# Allegro board 6089-119-RevB_08.brd (continued)
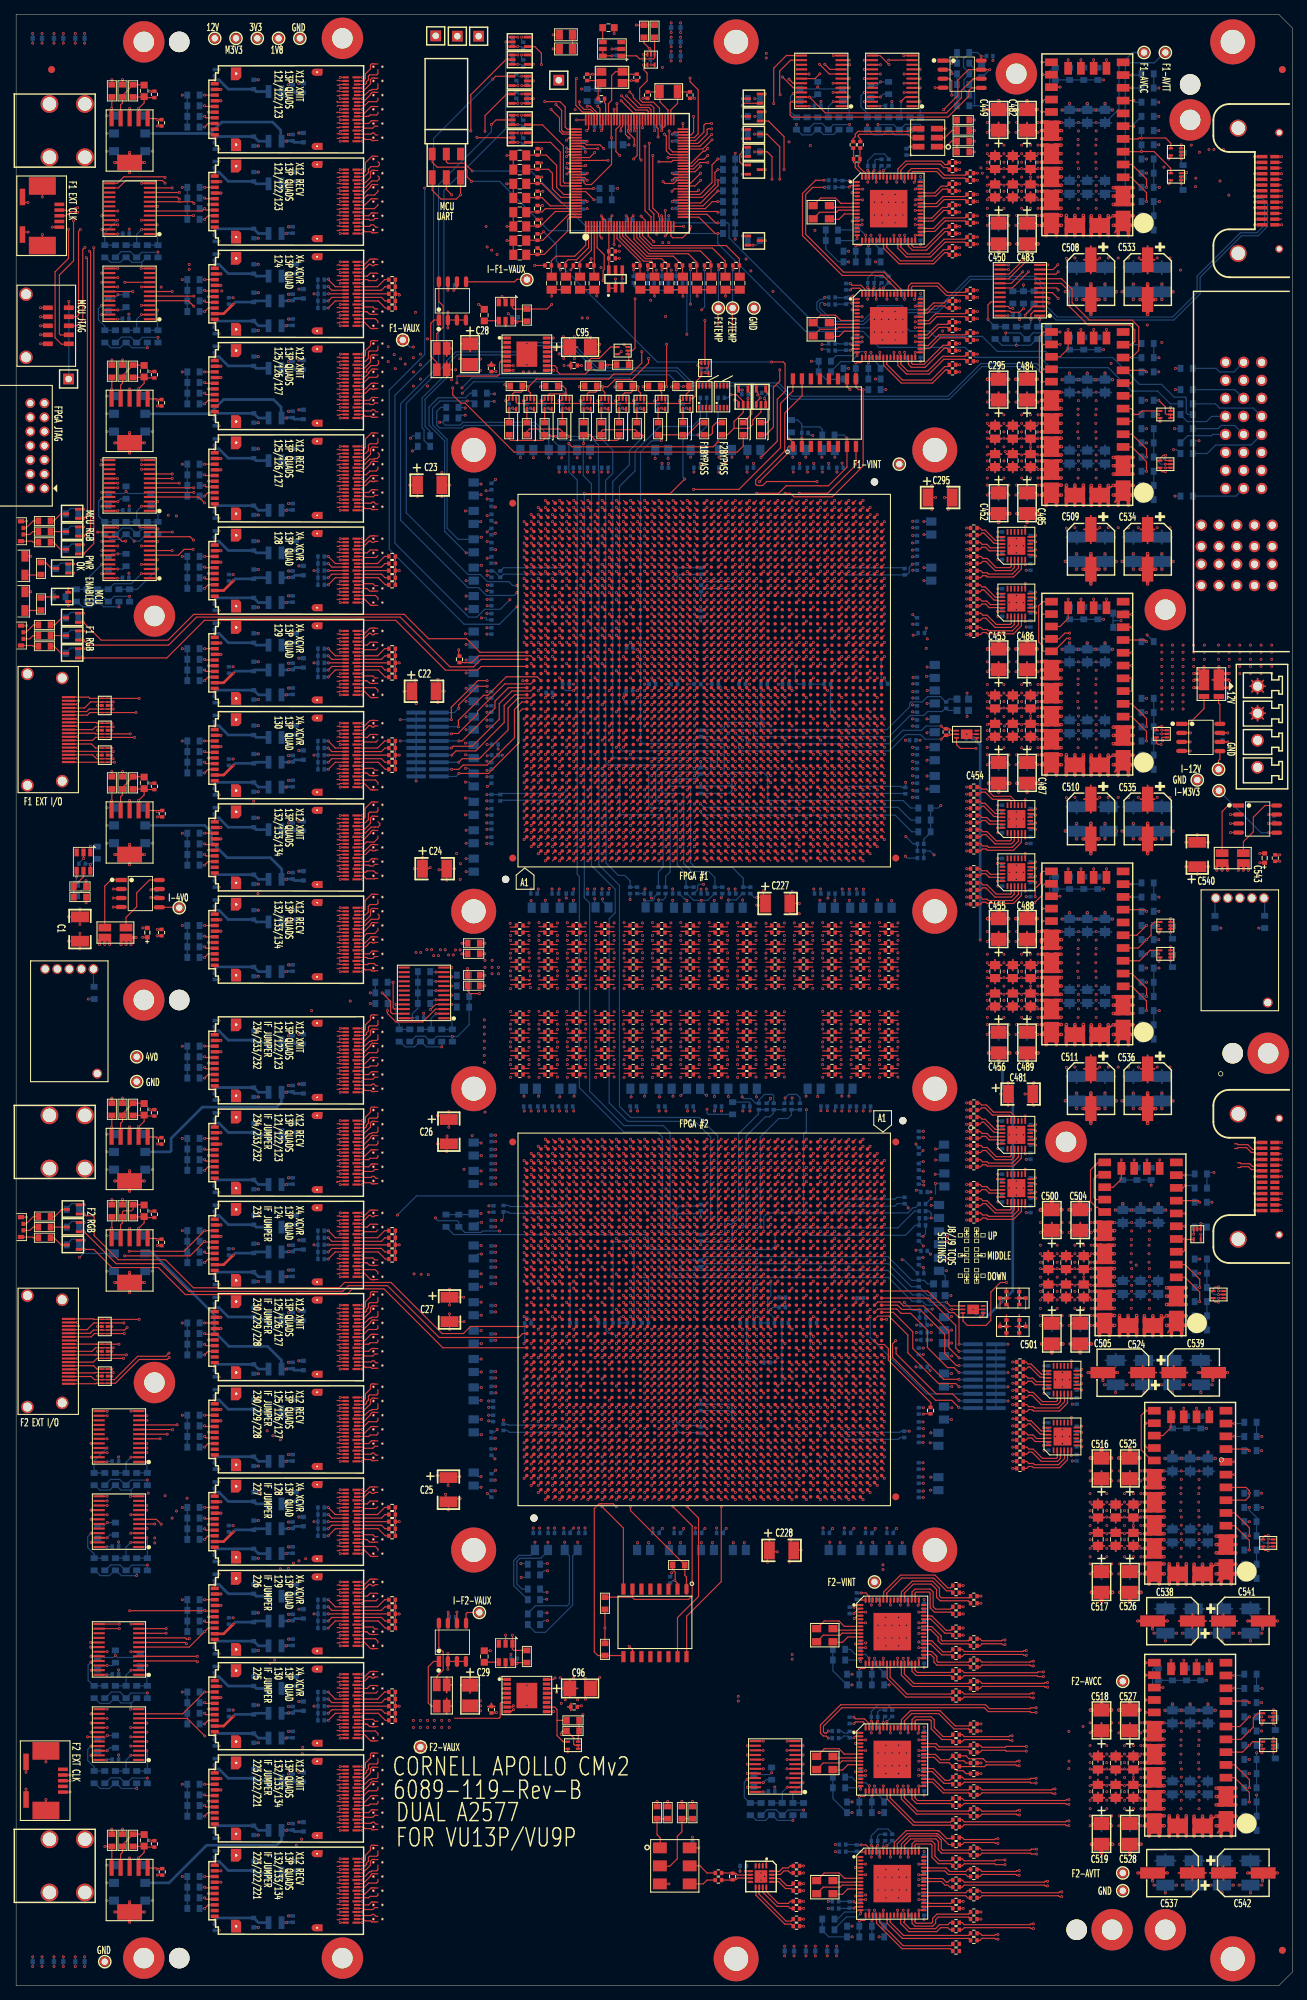
[diagram p0: board, top side]
## Footprints (pads in the part's own frame, mm; a bottom-side part is the same pattern mirrored in y, then rotated) (continued)
HEADER_2MM_2X3_SMD_RA
  rect 2.032x0.991 smd: 1(-1.65,2) 3(-1.65,0) 5(-1.65,-2)
  rect 1.778x0.991 smd: 2(1.65,2) 4(1.65,0) 6(1.65,-2)
HOLE_M2P5_STANDOFF
  round 5.842 hole 2.896: 1(0,0)
IND_EIA0603
  rect 0.965x1.016 smd: 1(-0.813,0) 2(0.813,0)
IND_EIA0806
  rect 0.813x1.803 smd: 1(-0.914,0) 2(0.914,0)
KEYSTONE_7761
  round 2.515 hole 1.905: 1(-3.75,5) 2(-3.75,0) 3(3.75,0) 4(3.75,5)
LDO06C_HJ
  round 1.397 hole 1.016: 1(7.366,3.404) 2(7.366,1.702) 3(7.366,0) 4(7.366,-1.702) 5(7.366,-3.404) 6(-7.366,-3.937)
LED_APA2106
  rect 1.524x1.016 smd: 1(-1.321,0) 2(1.321,0)
LED_RGB_INS126T
  rect 0.6x0.55 smd: 1(-0.46,0.325) 2(0.46,0.325)
  rect 0.6x0.9 smd: 3(-1.4,0) 4(1.4,0)
LGA80D
  rect 2.896x2.108 smd: 1(-10.725,-5.05) 2(-7.225,-5.05) 22(1.975,5.05) 23(-1.275,5.05) 24(-4.525,5.05) 25(-7.775,5.05) 26(-11.025,5.05)
  rect 1.092x1.803 smd: 3(-4.575,-5.05) 4(-2.775,-5.05) 5(-0.975,-5.05) 6(0.825,-5.05) 7(2.625,-5.05) 8(4.425,-5.05) 9(6.225,-5.05) 10(8.025,-5.05) 11(9.825,-5.05) 12(11.625,-5.05) 17(11.625,5.05) 18(9.875,5.05) 19(8.125,5.05) 20(6.375,5.05) 21(4.625,5.05)
  rect 1.803x1.092 smd: 13(10.775,-2.7) 14(10.775,-0.9) 15(10.775,0.9) 16(10.775,2.7)
  rect 2.108x2.896 smd: 27(-11.375,1.75) 28(-11.375,-1.75)
LQFP128
  rect 1.524x0.254 smd: 1(-7.5,6.2) 2(-7.5,5.8) 3(-7.5,5.4) 4(-7.5,5) 5(-7.5,4.6) 6(-7.5,4.2) 7(-7.5,3.8) 8(-7.5,3.4) 9(-7.5,3) 10(-7.5,2.6) 11(-7.5,2.2) 12(-7.5,1.8) 13(-7.5,1.4) 14(-7.5,1) 15(-7.5,0.6) 16(-7.5,0.2) 17(-7.5,-0.2) 18(-7.5,-0.6) 19(-7.5,-1) 20(-7.5,-1.4) 21(-7.5,-1.8) 22(-7.5,-2.2) 23(-7.5,-2.6) 24(-7.5,-3) 25(-7.5,-3.4) 26(-7.5,-3.8) 27(-7.5,-4.2) 28(-7.5,-4.6) 29(-7.5,-5) 30(-7.5,-5.4) 31(-7.5,-5.8) 32(-7.5,-6.2) 65(7.5,-6.2) 66(7.5,-5.8) 67(7.5,-5.4) 68(7.5,-5) 69(7.5,-4.6) 70(7.5,-4.2) 71(7.5,-3.8) 72(7.5,-3.4) 73(7.5,-3) 74(7.5,-2.6) 75(7.5,-2.2) 76(7.5,-1.8) 77(7.5,-1.4) 78(7.5,-1) 79(7.5,-0.6) 80(7.5,-0.2) 81(7.5,0.2) 82(7.5,0.6) 83(7.5,1) 84(7.5,1.4) 85(7.5,1.8) 86(7.5,2.2) 87(7.5,2.6) 88(7.5,3) 89(7.5,3.4) 90(7.5,3.8) 91(7.5,4.2) 92(7.5,4.6) 93(7.5,5) 94(7.5,5.4) 95(7.5,5.8) 96(7.5,6.2)
  rect 0.254x1.524 smd: 33(-6.2,-7.5) 34(-5.8,-7.5) 35(-5.4,-7.5) 36(-5,-7.5) 37(-4.6,-7.5) 38(-4.2,-7.5) 39(-3.8,-7.5) 40(-3.4,-7.5) 41(-3,-7.5) 42(-2.6,-7.5) 43(-2.2,-7.5) 44(-1.8,-7.5) 45(-1.4,-7.5) 46(-1,-7.5) 47(-0.6,-7.5) 48(-0.2,-7.5) 49(0.2,-7.5) 50(0.6,-7.5) 51(1,-7.5) 52(1.4,-7.5) 53(1.8,-7.5) 54(2.2,-7.5) 55(2.6,-7.5) 56(3,-7.5) 57(3.4,-7.5) 58(3.8,-7.5) 59(4.2,-7.5) 60(4.6,-7.5) 61(5,-7.5) 62(5.4,-7.5) 63(5.8,-7.5) 64(6.2,-7.5) 97(6.2,7.5) 98(5.8,7.5) 99(5.4,7.5) 100(5,7.5) 101(4.6,7.5) 102(4.2,7.5) 103(3.8,7.5) 104(3.4,7.5) 105(3,7.5) 106(2.6,7.5) 107(2.2,7.5) 108(1.8,7.5) 109(1.4,7.5) 110(1,7.5) 111(0.6,7.5) 112(0.2,7.5) 113(-0.2,7.5) 114(-0.6,7.5) 115(-1,7.5) 116(-1.4,7.5) 117(-1.8,7.5) 118(-2.2,7.5) 119(-2.6,7.5) 120(-3,7.5) 121(-3.4,7.5) 122(-3.8,7.5) 123(-4.2,7.5) 124(-4.6,7.5) 125(-5,7.5) 126(-5.4,7.5) 127(-5.8,7.5) 128(-6.2,7.5)
LTC2997H_DFN6
  rect 0.711x0.254 smd: 1(-1.425,0.5)
  rrect 0.711x0.254 smd: 2(-1.425,0) 3(-1.425,-0.5) 4(1.425,-0.5) 5(1.425,0) 6(1.425,0.5)
  rect 1.651x1.346 smd: 7(0,0)
MM66U1G45_SO16
  oval 1.575x0.61 smd: 1(0,0)
  rect 1.575x0.61 smd: 2(0,-1.27) 3(0,-2.54) 4(0,-3.81) 5(0,-5.08) 6(0,-6.35) 7(0,-7.62) 8(0,-8.89) 9(9.525,-8.89) 10(9.525,-7.62) 11(9.525,-6.35) 12(9.525,-5.08) 13(9.525,-3.81) 14(9.525,-2.54) 15(9.525,-1.27) 16(9.525,0)
OSC_SI510_5X7
  rect 1.956x1.549 smd: 1(-2.1,2.54) 2(-2.1,0) 3(-2.1,-2.54) 4(2.1,-2.54) 5(2.1,0) 6(2.1,2.54)
OSC_SI545_5X3P2
  rect 1.702x0.813 smd: 1(-1.3,1.27) 2(-1.3,0) 3(-1.3,-1.27) 4(1.3,-1.27) 5(1.3,0) 6(1.3,1.27)
QFN-16_1P75PAD
  oval 0.813x0.305 smd: 1(-1.5,0.75) 2(-1.5,0.25) 3(-1.5,-0.25) 4(-1.5,-0.75) 9(1.5,-0.75) 10(1.5,-0.25) 11(1.5,0.25) 12(1.5,0.75)
  oval 0.305x0.813 smd: 5(-0.75,-1.5) 6(-0.25,-1.5) 7(0.25,-1.5) 8(0.75,-1.5) 13(0.75,1.5) 14(0.25,1.5) 15(-0.25,1.5) 16(-0.75,1.5)
  rect 1.778x1.778 smd: 17(0,0)
RESC_EIA0402
  rect 0.508x0.61 smd: 1(-0.45,0) 2(0.45,0)
RESC_EIA0603
  rect 0.813x0.991 smd: 1(-0.864,0) 2(0.864,0)
RESC_EIA0805
  rect 1.041x1.397 smd: 1(-0.94,0) 2(0.94,0)
RESC_FC4T_4WIRE_1206
  rect 1.092x1.803 smd: 1(0.7,-1.5) 2(0.7,1.5) S1(-0.7,-1.5) S2(-0.7,1.5)
RESC_WSK1216_4WIRE
  rect 1.499x2.946 smd: 1(-1.054,0.61) 2(1.054,0.61)
  rect 1.499x0.711 smd: S1(-1.054,-1.727) S2(1.054,-1.727)
RUF015N02_FET
  rect 0.889x0.406 smd: 1(-0.85,0.65) 2(-0.85,-0.65) 3(0.85,0)
SC-70-5
  oval 1.016x0.406 smd: 1(-1.092,0.66)
  rect 1.016x0.406 smd: 2(-1.092,0) 3(-1.092,-0.66) 4(1.092,-0.66) 5(1.092,0.66)
SI5341_QFN64
  oval 0.813x0.305 smd: 1(-4.45,3.75) 2(-4.45,3.25) 3(-4.45,2.75) 4(-4.45,2.25) 5(-4.45,1.75) 6(-4.45,1.25) 7(-4.45,0.75) 8(-4.45,0.25) 9(-4.45,-0.25) 10(-4.45,-0.75) 11(-4.45,-1.25) 12(-4.45,-1.75) 13(-4.45,-2.25) 14(-4.45,-2.75) 15(-4.45,-3.25) 16(-4.45,-3.75) 33(4.45,-3.75) 34(4.45,-3.25) 35(4.45,-2.75) 36(4.45,-2.25) 37(4.45,-1.75) 38(4.45,-1.25) 39(4.45,-0.75) 40(4.45,-0.25) 41(4.45,0.25) 42(4.45,0.75) 43(4.45,1.25) 44(4.45,1.75) 45(4.45,2.25) 46(4.45,2.75) 47(4.45,3.25) 48(4.45,3.75)
  oval 0.305x0.813 smd: 17(-3.75,-4.45) 18(-3.25,-4.45) 19(-2.75,-4.45) 20(-2.25,-4.45) 21(-1.75,-4.45) 22(-1.25,-4.45) 23(-0.75,-4.45) 24(-0.25,-4.45) 25(0.25,-4.45) 26(0.75,-4.45) 27(1.25,-4.45) 28(1.75,-4.45) 29(2.25,-4.45) 30(2.75,-4.45) 31(3.25,-4.45) 32(3.75,-4.45) 49(3.75,4.45) 50(3.25,4.45) 51(2.75,4.45) 52(2.25,4.45) 53(1.75,4.45) 54(1.25,4.45) 55(0.75,4.45) 56(0.25,4.45) 57(-0.25,4.45) 58(-0.75,4.45) 59(-1.25,4.45) 60(-1.75,4.45) 61(-2.25,4.45) 62(-2.75,4.45) 63(-3.25,4.45) 64(-3.75,4.45)
  rect 5.283x5.283 smd: 65(0,0)
SI53342_QFN24
  rect 0.813x0.254 smd: 1(-1.95,1.25) 2(-1.95,0.75) 3(-1.95,0.25) 4(-1.95,-0.25) 5(-1.95,-0.75) 6(-1.95,-1.25) 13(1.95,-1.25) 14(1.95,-0.75) 15(1.95,-0.25) 16(1.95,0.25) 17(1.95,0.75) 18(1.95,1.25)
  rect 0.254x0.813 smd: 7(-1.25,-1.95) 8(-0.75,-1.95) 9(-0.25,-1.95) 10(0.25,-1.95) 11(0.75,-1.95) 12(1.25,-1.95) 19(1.25,1.95) 20(0.75,1.95) 21(0.25,1.95) 22(-0.25,1.95) 23(-0.75,1.95) 24(-1.25,1.95)
  rect 2.55x2.55 smd: 25(0,0)
SOIC050P240-8
  rect 1.575x0.61 smd: 1(-2.692,1.905)
  oval 1.575x0.61 smd: 2(-2.692,0.635) 3(-2.692,-0.635) 4(-2.692,-1.905) 5(2.692,-1.93) 6(2.692,-0.635) 7(2.692,0.635) 8(2.692,1.905)
SOT5_DRL
  rect 0.66x0.305 smd: 1(-0.74,0.5) 2(-0.74,0) 3(-0.74,-0.5) 4(0.74,-0.5) 5(0.74,0.5)
SOT23-6
  rect 1.118x0.61 smd: 1(-1.295,0.965) 2(-1.295,0) 3(-1.295,-0.965) 4(1.295,-0.965) 5(1.295,0) 6(1.295,0.965)
SPLICE_PLATE2_APOLLO
  round 6.35 hole 3.404: 1(0,0) 2(0,-70)
SW_DPDT_CL_SB_22B
  rect 1.397x1.143 smd: 1(-2.2,2.5) 2(-2.2,0) 3(-2.2,-2.5) 4(2.2,2.5) 5(2.2,0) 6(2.2,-2.5)
TB4
  round 1.778 hole 1.27: 1(0,5.715) 2(0,1.905) 3(0,-1.905) 4(0,-5.715)
TESTPT_C55H35
  round 1.397 hole 0.889: 1(0,0)
THRUTEST
  rect 1.524x1.524 hole 0.914: 1(0,0)
TPD4E05_USON_10
  rect 0.565x0.2 smd: 1(-0.418,1) 2(-0.418,0.5) 4(-0.418,-0.5) 5(-0.418,-1) 6(0.418,-1) 7(0.418,-0.5) 9(0.418,0.5) 10(0.418,1)
  rect 0.559x0.406 smd: 3(-0.418,0) 8(0.418,0)
TPS73601_SOT223_6
  rect 2.21x0.61 smd: 1(-3.099,2.54) 2(-3.099,1.27) 3(-3.099,0) 4(-3.099,-1.27) 5(-3.099,-2.54)
  rect 2.21x3.505 smd: 6(3.099,0)
TSOT23-6
  rect 1.219x0.508 smd: 1(-1.31,0.975) 2(-1.31,0) 3(-1.31,-0.95) 4(1.31,-0.95) 5(1.31,0) 6(1.31,0.95)
TSSOP-16_PAD
  rect 1.067x0.457 smd: 1(-2.78,2.275) 2(-2.78,1.625) 3(-2.78,0.975) 4(-2.78,0.325) 5(-2.78,-0.325) 6(-2.78,-0.975) 7(-2.78,-1.625) 8(-2.78,-2.275) 9(2.78,-2.275) 10(2.78,-1.625) 11(2.78,-0.975) 12(2.78,-0.325) 13(2.78,0.325) 14(2.78,0.975) 15(2.78,1.625) 16(2.78,2.275)
  rect 2.946x3.581 smd: 17(0,0)
TSSOP-24
  rect 1.6x0.305 smd: 1(-2.8,3.575) 2(-2.8,2.925) 3(-2.8,2.275) 4(-2.8,1.625) 5(-2.8,0.975) 6(-2.8,0.325) 7(-2.8,-0.325) 8(-2.8,-0.975) 9(-2.8,-1.625) 10(-2.8,-2.275) 11(-2.8,-2.925) 12(-2.8,-3.575) 13(2.8,-3.575) 14(2.8,-2.925) 15(2.8,-2.275) 16(2.8,-1.625) 17(2.8,-0.975) 18(2.8,-0.325) 19(2.8,0.325) 20(2.8,0.975) 21(2.8,1.625) 22(2.8,2.275) 23(2.8,2.925) 24(2.8,3.575)
unnamed#2
  round 0.991 smd: 1(0,0)
VIA_ARRAY_19H10
  round 0.406 hole 0.203: 3(0,0.635) 4(0,-0.635)
VSSOP-8
  rect 0.813x0.305 smd: 1(-1.55,0.75) 2(-1.55,0.25) 3(-1.55,-0.25) 4(-1.55,-0.75) 5(1.55,-0.75) 6(1.55,-0.25) 7(1.55,0.25) 8(1.55,0.75)

## Nets
12V_INPUT: J10.1 J10.2 P1.P1-1 P1.P1-2 P1.P1-3 P1.P1-4 P1.P1-5 P1.P1-6 P1.P1-7 P1.P1-8 P1.P1-9 P1.P1-10 R145.2
GND: C1.2 C8.2 C9.2 C10.2 C11.2 C12.2 C13.2 C14.2 C15.2 C16.2 C17.2 C18.2 C19.2 C20.2 C21.2 C22.2 C23.2 C24.2 C25.2 C26.2 C27.2 C28.2 C29.2 C30.2 C31.2 C32.2 C33.2 C34.2 C35.2 C36.2 C37.2 C38.2 C39.2 C40.2 C41.2 C74.2 C75.2 C76.2 C77.2 C94.2 C95.2 C96.2 C97.2 C98.2 C115.2 C116.2 C117.2 C134.2 C135.2 C136.2 C137.2 C154.2 C155.2 C156.2 C173.2 C174.2 C193.2 C194.2 C227.2 C228.2 C295.2 C441.2 C442.2 C443.2 C444.2 C445.2 C446.2 C447.2 C448.2 C449.2 C450.2 C451.2 C452.2 C453.2 C454.2 C455.2 C456.2 C457.2 C458.2 C459.2 C460.2 C461.2 C462.2 C463.2 C464.2 C481.2 C482.2 C483.2 C484.2 C485.2 C486.2 C487.2 C488.2 C489.2 C490.2 C491.2 C492.2 C493.2 C494.2 C495.2 C496.2 C497.2 C498.2 C499.2 C500.2 C501.2 C502.2 C503.2 C504.2 C505.2 C506.2 C507.2 C508.2 C509.2 C510.2 C511.2 C512.2 C513.2 C514.2 C515.2 C516.2 C517.2 C518.2 C519.2 C520.2 C521.2 C522.2 C523.2 C524.2 C525.2 C526.2 C527.2 C528.2 C529.2 C530.2 C531.2 C532.2 C533.2 C534.2 C535.2 C536.2 C537.2 C538.2 C539.2 C540.2 C541.2 C542.2 C543.2 C544.2 C545.2 C546.2 C547.2 C548.2 C549.2 C550.2 C551.2 C552.2 C553.2 C554.2 C555.2 C556.2 C557.2 C558.2 C559.2 C560.2 C561.2 C562.2 C563.2 C564.2 C565.2 C566.2 C567.2 C568.2 C569.2 C570.2 C571.2 C572.2 C573.2 C574.2 C575.2 C576.2 C577.2 C578.2 C579.2 C580.2 C581.2 C582.2 C583.2 C584.2 C585.2 C586.2 C587.2 C588.2 C589.2 C590.2 C591.2 C592.2 C593.2 C594.2 C595.2 C596.2 C597.2 C598.2 C599.2 C600.2 C601.2 C602.2 C603.2 C604.2 C605.2 C606.2 C607.2 C608.2 C609.2 C610.2 C611.2 C612.2 C613.2 C614.2 C615.2 C616.2 C617.2 C618.2 C619.2 C620.2 C621.2 C622.2 C623.2 C624.2 C625.2 C626.2 C627.2 C628.2 C629.2 C630.2 C631.2 C632.2 C633.2 C634.2 C635.2 C636.2 C637.2 C638.2 C639.2 C640.2 C641.2 C642.2 C643.2 C644.2 C645.2 C646.2 C647.2 C648.2 C649.2 C650.2 C651.2 C652.2 C653.2 C654.2 C655.2 C656.2 C657.2 C658.2 C659.2 C660.2 C661.2 C662.2 C663.2 C664.2 C665.2 C666.2 C667.2 C668.2 C669.2 C670.2 C671.2 C672.2 C673.2 C674.2 C675.2 C676.2 C677.2 C678.2 C679.2 C680.2 C681.2 C682.2 C683.2 C684.2 C685.2 C686.2 C687.2 C688.2 C689.2 C690.2 C691.2 C692.2 C693.2 C694.2 C695.2 C696.2 C697.2 C698.2 C699.2 C700.2 C701.2 C702.2 C703.2 C704.2 C705.2 C706.2 C707.2 C708.2 C709.2 C710.2 C711.2 C712.2 C713.2 C714.2 C716.2 C717.2 C718.2 C719.2 C720.2 C721.2 C722.2 C723.2 C724.2 C725.2 C726.2 C727.2 C728.2 C729.2 C730.2 C731.2 C732.2 C733.2 C734.2 C735.1 C736.1 C737.2 C738.1 C739.1 C740.2 C741.2 C742.2 C743.2 C744.2 C745.2 C746.2 C747.2 C748.2 C749.2 C750.2 C751.2 C752.1 C753.2 C754.2 C755.2 C756.2 C757.2 C758.2 C759.2 C760.2 C761.2 C762.2 C763.2 C764.2 C765.2 C766.2 C769.2 C770.2 C771.2 C772.2 C773.2 C774.2 C775.2 C776.2 C777.2 C778.2 C779.2 C780.1 C781.2 C782.2 C783.2 C784.1 C785.2 C786.2 C787.2 C788.2 C789.1 C790.2 C791.2 C792.2 C793.2 C794.2 C795.2 C796.2 C797.2 C798.2 C799.2 C800.2 C801.2 C804.2 C805.2 C808.2 C813.2 C814.2 C815.2 C816.2 C817.2 C818.2 C819.2 C820.2 C821.2 C822.2 C823.2 C824.2 C825.2 C826.2 C827.2 C828.2 C829.2 C830.2 C831.2 C832.2 C833.2 C834.2 C835.2 C836.2 C839.2 C840.2 C845.2 C852.2 C853.2 C854.2 C855.2 C856.2 C857.2 C858.2 C859.2 C860.2 C861.2 C862.2 C863.2 C864.2 C865.2 C866.2 C867.2 C868.2 C869.2 C870.2 C871.2 C872.2 C873.2 C874.2 C875.2 C876.2 C877.2 C878.2 C879.2 C880.2 C881.2 C883.2 C884.2 C885.2 C886.2 C887.2 C888.2 C891.1 C893.2 C894.2 C895.2 C896.2 C897.2 C898.2 C899.2 C900.2 C901.2 C902.2 C903.2 C904.2 C905.2 C906.2 C907.2 C908.2 C909.2 C910.2 C911.2 C912.2 C913.2 C914.2 C915.2 C916.2 C917.2 C918.2 C919.2 C920.2 C921.2 C922.2 C923.2 C924.2 C925.2 C926.2 C927.2 C928.2 C929.2 C930.2 C931.2 C932.2 C933.2 C934.2 C935.2 C936.2 C937.2 C938.2 C939.2 C940.2 C941.2 C942.2 C943.2 C944.2 C945.2 C946.2 C947.2 C948.2 C949.2 C950.2 C951.2 C952.2 C953.2 C954.2 C955.2 C956.2 C957.2 C958.2 C959.2 C960.2 C961.2 C962.2 C963.2 C964.2 C965.2 C966.2 C967.2 C968.2 C969.2 C970.2 C971.2 C972.2 C973.2 C974.2 C975.2 C976.2 C977.2 C978.2 C979.2 C980.2 C981.2 C982.2 C983.2 C984.1 C985.1 C986.2 C987.2 C988.2 C989.2 C990.2 C991.2 C992.2 C993.2 C994.2 C995.2 C996.1 C997.2 C998.2 C999.2 C1000.2 C1001.2 C1002.2 C1003.2 C1004.2 C1005.2 C1006.2 C1007.2 C1008.2 C1009.2 C1010.2 C1011.2 C1012.2 C1013.2 C1014.1 C1015.1 C1016.2 C1017.2 C1018.2 C1019.1 C1020.1 C1021.2 C1022.2 C1023.2 C1024.2 C1025.2 C1026.2 C1027.2 C1028.2 C1029.2 C1030.2 C1031.2 C1032.2 C1033.2 C1034.2 C1035.2 C1036.2 C1037.2 C1038.2 C1039.2 C1040.2 C1041.2 C1042.2 C1043.2 C1044.2 C1045.2 C1046.2 C1047.2 C1048.2 C1049.2 C1050.2 C1051.2 C1052.2 C1053.2 C1054.2 C1055.2 C1056.2 C1057.2 C1058.2 C1059.2 C1060.2 C1061.2 C1062.2 C1063.2 C1064.2 C1065.2 C1066.2 C1067.2 C1068.2 C1069.2 C1070.2 C1071.2 C1072.2 C1073.2 C1074.2 C1075.2 C1076.2 C1077.2 C1078.2 C1079.2 C1080.2 C1081.2 C1082.2 C1083.2 C1084.2 C1085.2 C1086.2 C1087.2 C1088.2 C1089.2 C1090.2 C1091.2 C1092.2 C1093.2 C1094.2 C1095.2 C1096.2 C1097.2 C1098.2 C1099.2 C1100.2 C1101.2 C1102.2 C1103.2 C1104.2 C1105.2 C1106.2 C1107.2 C1108.2 C1109.2 C1110.2 C1111.2 C1112.2 C1113.2 C1114.2 C1115.2 C1116.2 C1117.2 C1118.2 C1119.2 C1120.2 C1121.2 C1122.2 C1123.2 C1124.2 C1125.2 C1126.2 C1127.2 C1128.2 C1129.2 C1130.2 C1131.2 C1132.2 C1133.2 C1134.2 C1135.2 C1136.2 C1137.2 C1138.2 C1139.2 C1140.2 C1141.2 C1142.2 C1143.2 C1144.2 C1145.2 C1146.2 C1147.2 C1148.2 C1149.2 C1150.2 C1151.2 C1152.2 C1153.2 C1154.2 C1155.2 C1156.2 C1157.2 C1158.2 C1159.2 C1160.2 C1161.2 C1162.2 C1163.2 C1164.2 C1165.2 C1166.2 C1167.2 C1168.2 C1169.2 C1170.2 C1171.2 C1172.2 C1173.2 C1174.2 C1175.2 C1176.2 C1177.2 C1178.2 C1179.2 C1180.2 C1181.2 C1182.2 C1183.2 C1184.2 C1185.2 C1186.2 C1187.2 C1188.2 C1189.2 C1190.2 C1191.2 C1192.2 C1193.2 C1194.2 C1195.2 C1196.2 C1197.2 C1198.2 C1199.2 C1200.2 C1201.2 C1202.2 C1203.2 C1204.2 C1205.2 C1206.2 C1207.2 C1208.2 C1209.2 C1210.2 C1211.2 C1212.2 C1213.2 C1214.2 C1215.2 C1216.2 C1217.2 C1218.2 C1219.2 C1220.2 C1221.2 C1222.2 C1223.2 C1224.2 C1225.2 C1226.2 C1227.2 C1228.2 C1229.1 C1230.2 C1231.2 C1232.2 C1233.2 J1.1 J1.3 J1.5 J1.7 J1.9 J1.11 J1.13 J2.5 J2.6 J2.7 J2.8 J2.9 J3.5 J3.6 J3.7 J3.8 J3.9 J4.3 J4.5 J4.7 J4.9 J5.2 J5.5 J5.8 J5.11 J5.13 J5.17 J5.20 J5.21 J5.22 J5.23(TAB4) J6.2 J6.5 J6.8 J6.11 J6.13 J6.17 J6.20 J6.21 J6.22 J6.23(TAB4) J7.1 J7.5 J10.3 J10.4 J11.2 J11.4 J11.6 J11.8 J11.10 J11.12 J11.14 J11.16 J11.18 J11.20 J12.2 J12.4 J12.6 J12.8 J12.10 J12.12 J12.14 J12.16 J12.18 J12.20 L2.1 L3.1 P1.10 P1.11 P1.13 P1.15 P1.P2-1 P1.P2-2 P1.P2-3 P1.P2-4 P1.P2-5 P1.P2-6 P1.P2-7 P1.P2-8 P1.P2-9 P1.P2-10 P2.1 P2.2 P2.7 P2.8 P2.13 P2.14 P2.19 P2.20 P2.25 P2.26 P3.1 P3.2 P3.7 P3.8 P3.13 P3.14 P3.19 P3.20 P3.25 P3.26 PM1.1 PM3.1 PM9.1 PM16.1 PM21.1 PM24.1 Q1.2 Q2.2 Q3.2 Q4.2 Q5.2 Q6.2 Q7.2 Q8.2 Q9.2 Q10.2 Q11.2 Q12.2 Q13.2 Q14.2 Q15.2 Q16.2 Q17.2 R12.1 R14.1 R15.1 R16.1 R17.1 R18.1 R19.1 R21.2 R22.2 R23.2 R24.2 R25.2 R26.2 R33.1 R34.1 R35.1 R36.1 R37.1 R38.1 R39.1 R40.1 R41.1 R42.1 R43.1 R44.1 R45.1 R46.1 R47.1 R48.1 R49.1 R50.1 R51.1 R52.1 R53.1 R54.1 R55.1 R56.1 R57.1 R58.1 R59.1 R60.1 R61.1 R62.1 R63.1 R64.1 R65.1 R66.1 R67.1 R68.1 R69.1 R70.1 R71.1 R72.1 R77.2 R79.2 R100.1 R101.1 R106.1 R109.1 R111.1 R116.1 R140.2 R142.1 R144.1 R147.1 R148.1 R149.1 R152.2 R153.2 R155.2 R158.2 R162.2 R163.2 R164.2 R165.2 R167.2 R170.2 R172.1 R175.2 R176.1 R178.2 R181.2 R183.2 R184.2 R193.2 R194.2 R195.1 R196.1 R197.1 R198.1 R199.2 R200.2 R201.2 R202.2 R205.2 R206.2 R207.2 R208.2 R210.2 R213.2 R217.2 R218.1 R219.2 R221.2 R224.2 R226.2 R228.2 R231.2 R235.2 R236.2 R237.2 R238.2 R240.2 R243.2 R245.2 R246.2 R249.2 R250.2 R251.2 R252.2 R253.2 R254.2 R255.2 R256.2 R261.2 R262.2 R263.2 R264.2 R265.2 R266.2 R268.1 R284.1 R287.1 R290.1 R292.1 R294.1 R299.1 R301.1 R302.1 R306.1 R307.1 R308.1 R309.1 R316.1 R317.1 R319.1 R321.1 R323.1 R325.1 R327.1 R335.1 R336.1 R339.1 R341.1 R343.1 R346.1 R348.1 R359.1 R370.1 R374.1 R375.1 R377.1 R381.1 R382.1 R384.1 R385.1 R386.1 R388.1 R389.1 R391.1 R393.1 R394.1 R395.1 R397.1 R399.1 R400.1 R403.1 R404.2 R405.1 R408.1 R409.1 R410.1 R411.1 R422.1 R423.1 R432.1 R434.1 R436.2 R437.1 R440.2 R441.1 R442.1 R444.2 R445.1 R446.1 R447.2 R448.1 R450.1 R451.1 R452.1 R453.1 R456.1 R459.1 R460.1 R461.1 R463.2 R465.2 R466.2 R468.1 R473.2 R480.2 R484.1 R487.2 R492.1 R494.1 R498.1 R499.1 R500.1 R501.1 R502.1 R503.1 R504.1 R505.1 R506.1 R507.1 R508.1 R509.1 R510.1 R511.1 R512.1 R513.1 R514.1 R515.1 R516.1 R517.1 R518.1 R519.1 R520.1 R521.1 R522.1 R523.1 R524.1 R525.1 R526.1 R527.1 R528.1 R529.1 R530.1 R531.1 R532.1 R533.1 R534.1 R535.1 R536.1 R537.1 R622.1 R623.1 R624.1 R633.1 R634.1 R635.1 R636.1 R638.1 R640.1 R642.1 R648.1 R652.1 R654.1 R656.1 R658.1 R663.1 R664.1 R665.1 R670.1 R675.1 R676.1 R677.1 R678.1 R679.1 R681.1 R682.1 R683.1 R684.1 R685.1 R686.1 R687.1 R688.1 R689.1 R690.1 R691.2 R692.2 SW1.6(NO2) SW2.6(NO2) SW3.6(NO2) SW4.6(NO2) SW5.6(NO2) SW6.6(NO2) U1.3 U2.2 U3.3 U3.8 U4.3 U4.8 U5.3 U5.8 U6.3 U6.8 U7.3 U7.8 U8.3 U8.8 U9.12 U10.12 U11.12 U12.12 U13.3 U13.6 U14.12 U15.12 U16.3 U16.6 U17.12 U18.12 U19.3 U19.6 U20.3 U20.6 U21.3 U21.6 U22.3 U22.6 U23.2 U23.3 U23.4 U23.7 U24.2 U24.4 U24.A1 U24.A4 U24.A7 U24.A10 U24.A13 U24.A16 U24.A19 U24.B1 U24.B4 U24.B7(GND_B7) U24.B10 U24.B13 U24.B16 U24.B19 U25.2 U25.4 U25.A1 U25.A4 U25.A7 U25.A10 U25.A13 U25.A16 U25.A19 U25.B1 U25.B4 U25.B7(GND_B7) U25.B10 U25.B13 U25.B16 U25.B19 U26.2 U26.4 U26.A1 U26.A4 U26.A7 U26.A13 U26.A16 U26.A19 U26.B1 U26.B4 U26.B7 U26.B13 U26.B16 U26.B19 U27.2 U27.4 U27.A1 U27.A4 U27.A7 U27.A10 U27.A13 U27.A16 U27.A19 U27.B1 U27.B4 U27.B7(GND_B7) U27.B10 U27.B13 U27.B16 U27.B19 U28.2 U28.4 U28.A1 U28.A4 U28.A7 U28.A10 U28.A13 U28.A16 U28.A19 U28.B1 U28.B4 U28.B7(GND_B7) U28.B10 U28.B13 U28.B16 U28.B19 U29.2 U29.4 U29.A1 U29.A4 U29.A7 U29.A13 U29.A16 U29.A19 U29.B1 U29.B4 U29.B7 U29.B13 U29.B16 U29.B19 U30.2 U30.4 U30.A1 U30.A4 U30.A7 U30.A13 U30.A16 U30.A19 U30.B1 U30.B4 U30.B7 U30.B13 U30.B16 U30.B19 U31.2 U31.4 U31.A1 U31.A4 U31.A7 U31.A13 U31.A16 U31.A19 U31.B1 U31.B4 U31.B7 U31.B13 U31.B16 U31.B19 U32.2 U32.4 U32.A1 U32.A4 U32.A7 U32.A10 U32.A13 U32.A16 U32.A19 U32.B1 U32.B4 U32.B7(GND_B7) U32.B10 U32.B13 U32.B16 U32.B19 U33.2 U33.4 U33.A1 U33.A4 U33.A7 U33.A10 U33.A13 U33.A16 U33.A19 U33.B1 U33.B4 U33.B7(GND_B7) U33.B10 U33.B13 U33.B16 U33.B19 U34.2 U34.4 U34.A1 U34.A4 U34.A7 U34.A10 U34.A13 U34.A16 U34.A19 U34.B1 U34.B4 U34.B7(GND_B7) U34.B10 U34.B13 U34.B16 U34.B19 U35.2 U35.4 U35.A1 U35.A4 U35.A7 U35.A10 U35.A13 U35.A16 U35.A19 U35.B1 U35.B4 U35.B7(GND_B7) U35.B10 U35.B13 U35.B16 U35.B19 U36.2 U36.4 U36.A1 U36.A4 U36.A7 U36.A13 U36.A16 U36.A19 U36.B1 U36.B4 U36.B7 U36.B13 U36.B16 U36.B19 U37.2 U37.4 U37.A1 U37.A4 U37.A7 U37.A10 U37.A13 U37.A16 U37.A19 U37.B1 U37.B4 U37.B7(GND_B7) U37.B10 U37.B13 U37.B16 U37.B19 U38.2 U38.4 U38.A1 U38.A4 U38.A7 U38.A10 U38.A13 U38.A16 U38.A19 U38.B1 U38.B4 U38.B7(GND_B7) U38.B10 U38.B13 U38.B16 U38.B19 U39.2 U39.4 U39.A1 U39.A4 U39.A7 U39.A13 U39.A16 U39.A19 U39.B1 U39.B4 U39.B7 U39.B13 U39.B16 U39.B19 U40.2 U40.4 U40.A1 U40.A4 U40.A7 U40.A13 U40.A16 U40.A19 U40.B1 U40.B4 U40.B7 U40.B13 U40.B16 U40.B19 U41.2 U41.4 U41.A1 U41.A4 U41.A7 U41.A13 U41.A16 U41.A19 U41.B1 U41.B4 U41.B7 U41.B13 U41.B16 U41.B19 U42.2 U42.4 U42.A1 U42.A4 U42.A7 U42.A10 U42.A13 U42.A16 U42.A19 U42.B1 U42.B4 U42.B7(GND_B7) U42.B10 U42.B13 U42.B16 U42.B19 U43.2 U43.4 U43.A1 U43.A4 U43.A7 U43.A10 U43.A13 U43.A16 U43.A19 U43.B1 U43.B4 U43.B7(GND_B7) U43.B10 U43.B13 U43.B16 U43.B19 U44.12 U45.2 U45.3 U45.4 U45.7 U46.2 U46.3 U46.4 U46.7 U47.2 U48.2 U49.3 U50.3 U51.3 U52.3 U53.3 U54.3 U55.3 U56.1 U56.7 U56.8 U56.9 U56.16 U56.17 U57.1 U57.7 U57.8 U57.9 U57.16 U57.17 U58.3 U59.3 U60.3 U61.3 U62.3 U63.3 U64.2 U65.1 U65.2 U66.3 U67.3 U68.10 U68.17 U68.48 U68.64 U68.80 U68.114 U69.3 U70.3 U71.3 U72.10 U73.3 U74.3 U75.A4 U75.A7 U75.A9 U75.A13 U75.A16 U75.A17 U75.A18 U75.A21 U75.A26 U75.A31 U75.A34 U75.A35 U75.A36 U75.A39 U75.A43 U75.A45 U75.A48 U75.AA3 U75.AA4 U75.AA5 U75.AA9 U75.AA12 U75.AA14 U75.AA16 U75.AA18 U75.AA20 U75.AA22 U75.AA24 U75.AA26 U75.AA28 U75.AA30 U75.AA32 U75.AA34 U75.AA36 U75.AA38 U75.AA40 U75.AA43 U75.AA47 U75.AA48 U75.AA49 U75.AB1 U75.AB2 U75.AB5 U75.AB7 U75.AB10 U75.AB15 U75.AB17 U75.AB19 U75.AB21 U75.AB23 U75.AB25 U75.AB27 U75.AB29 U75.AB31 U75.AB33 U75.AB35 U75.AB37 U75.AB38 U75.AB42 U75.AB45 U75.AB47 U75.AB50 U75.AB51 U75.AC3 U75.AC4 U75.AC5 U75.AC8 U75.AC14 U75.AC16 U75.AC18 U75.AC20 U75.AC22 U75.AC24 U75.AC26 U75.AC28 U75.AC30 U75.AC32 U75.AC34 U75.AC36 U75.AC38 U75.AC39 U75.AC44 U75.AC47 U75.AC48 U75.AC49 U75.AD1 U75.AD2 U75.AD5 U75.AD6 U75.AD11 U75.AD12 U75.AD15 U75.AD17 U75.AD19 U75.AD21 U75.AD23 U75.AD25 U75.AD27 U75.AD29 U75.AD31 U75.AD33 U75.AD35 U75.AD37 U75.AD39 U75.AD40 U75.AD41 U75.AD46 U75.AD47 U75.AD50 U75.AD51 U75.AE3 U75.AE4 U75.AE5 U75.AE9 U75.AE12 U75.AE16 U75.AE18 U75.AE20 U75.AE22 U75.AE24 U75.AE26 U75.AE28 U75.AE30 U75.AE32 U75.AE34 U75.AE36 U75.AE38 U75.AE40 U75.AE43 U75.AE47 U75.AE48 U75.AE49 U75.AF1 U75.AF2 U75.AF5 U75.AF7 U75.AF10 U75.AF12 U75.AF15 U75.AF17 U75.AF19 U75.AF21 U75.AF23 U75.AF25 U75.AF27 U75.AF29 U75.AF31 U75.AF33 U75.AF35 U75.AF37 U75.AF39 U75.AF40 U75.AF42 U75.AF45 U75.AF47 U75.AF50 U75.AF51 U75.AG3 U75.AG4 U75.AG5 U75.AG8 U75.AG12 U75.AG16 U75.AG20 U75.AG22 U75.AG24 U75.AG26 U75.AG28 U75.AG30 U75.AG32 U75.AG34 U75.AG36 U75.AG38 U75.AG40 U75.AG44 U75.AG47 U75.AG48 U75.AG49 U75.AH1 U75.AH2 U75.AH5 U75.AH6 U75.AH11 U75.AH12 U75.AH15 U75.AH17 U75.AH21 U75.AH23 U75.AH25 U75.AH27 U75.AH29 U75.AH31 U75.AH33 U75.AH35 U75.AH37 U75.AH39 U75.AH40 U75.AH41 U75.AH46 U75.AH47 U75.AH50 U75.AH51 U75.AJ3 U75.AJ4 U75.AJ5 U75.AJ9 U75.AJ14 U75.AJ16 U75.AJ20 U75.AJ22 U75.AJ24 U75.AJ26 U75.AJ28 U75.AJ30 U75.AJ32 U75.AJ34 U75.AJ36 U75.AJ38 U75.AJ39 U75.AJ43 U75.AJ47 U75.AJ48 U75.AJ49 U75.AK1 U75.AK2 U75.AK5 U75.AK7 U75.AK10 U75.AK15 U75.AK17 U75.AK21 U75.AK23 U75.AK25 U75.AK27 U75.AK29 U75.AK31 U75.AK33 U75.AK35 U75.AK37 U75.AK38 U75.AK42 U75.AK45 U75.AK47 U75.AK50 U75.AK51 U75.AL3 U75.AL4 U75.AL5 U75.AL8 U75.AL12 U75.AL14 U75.AL16 U75.AL18 U75.AL20 U75.AL22 U75.AL24 U75.AL26 U75.AL28 U75.AL30 U75.AL32 U75.AL34 U75.AL36 U75.AL38 U75.AL40 U75.AL44 U75.AL47 U75.AL48 U75.AL49 U75.AM1 U75.AM2 U75.AM5 U75.AM6 U75.AM11 U75.AM15 U75.AM17 U75.AM19 U75.AM21 U75.AM23 U75.AM25 U75.AM27 U75.AM29 U75.AM31 U75.AM33 U75.AM35 U75.AM37 U75.AM38 U75.AM41 U75.AM46 U75.AM47 U75.AM50 U75.AM51 U75.AN3 U75.AN4 U75.AN5 U75.AN9 U75.AN12 U75.AN14 U75.AN16 U75.AN18 U75.AN20 U75.AN22 U75.AN24 U75.AN26 U75.AN28 U75.AN30 U75.AN32 U75.AN34 U75.AN36 U75.AN38 U75.AN40 U75.AN43 U75.AN47 U75.AN48 U75.AN49 U75.AP1 U75.AP2 U75.AP5 U75.AP7 U75.AP10 U75.AP15 U75.AP17 U75.AP19 U75.AP21 U75.AP23 U75.AP25 U75.AP27 U75.AP29 U75.AP31 U75.AP33 U75.AP35 U75.AP37 U75.AP38 U75.AP42 U75.AP45 U75.AP47 U75.AP50 U75.AP51 U75.AR3 U75.AR4 U75.AR5 U75.AR8 U75.AR12 U75.AR14 U75.AR22 U75.AR24 U75.AR26 U75.AR28 U75.AR30 U75.AR38 U75.AR40 U75.AR44 U75.AR47 U75.AR48 U75.AR49 U75.AT1 U75.AT2 U75.AT5 U75.AT6 U75.AT11 U75.AT21 U75.AT23 U75.AT25 U75.AT27 U75.AT29 U75.AT31 U75.AT38 U75.AT41 U75.AT46 U75.AT47 U75.AT50 U75.AT51 U75.AU3 U75.AU4 U75.AU5 U75.AU9 U75.AU13 U75.AU14 U75.AU18 U75.AU24 U75.AU26 U75.AU28 U75.AU30 U75.AU38 U75.AU39 U75.AU43 U75.AU47 U75.AU48 U75.AU49 U75.AV1 U75.AV2 U75.AV5 U75.AV7 U75.AV10 U75.AV15 U75.AV25 U75.AV35 U75.AV38 U75.AV42 U75.AV45 U75.AV47 U75.AV50 U75.AV51 U75.AW3 U75.AW4 U75.AW5 U75.AW8 U75.AW12 U75.AW14 U75.AW22 U75.AW32 U75.AW38 U75.AW40 U75.AW44 U75.AW47 U75.AW48 U75.AW49 U75.AY1 U75.AY2 U75.AY5 U75.AY6 U75.AY11 U75.AY19 U75.AY29 U75.AY38 U75.AY41 U75.AY46 U75.AY47 U75.AY50 U75.AY51 U75.B3 U75.B4 U75.B5 U75.B6 U75.B7 U75.B10 U75.B14 U75.B16 U75.B19 U75.B20 U75.B21 U75.B23 U75.B31 U75.B32 U75.B33 U75.B36 U75.B38 U75.B42 U75.B45 U75.B46 U75.B47 U75.B48 U75.B49 U75.BA3 U75.BA4 U75.BA5 U75.BA9 U75.BA12 U75.BA14 U75.BA16 U75.BA26 U75.BA36 U75.BA38 U75.BA40 U75.BA43 U75.BA47 U75.BA48 U75.BA49 U75.BB1 U75.BB2 U75.BB5 U75.BB7 U75.BB10 U75.BB14 U75.BB23 U75.BB33 U75.BB38 U75.BB42 U75.BB45 U75.BB47 U75.BB50 U75.BB51 U75.BC3 U75.BC4 U75.BC5 U75.BC8 U75.BC12 U75.BC14 U75.BC20 U75.BC30 U75.BC38 U75.BC40 U75.BC44 U75.BC47 U75.BC48 U75.BC49 U75.BD1 U75.BD2 U75.BD5 U75.BD6 U75.BD11 U75.BD14 U75.BD27 U75.BD38 U75.BD41 U75.BD46 U75.BD47 U75.BD50 U75.BD51 U75.BE3 U75.BE4 U75.BE5 U75.BE9 U75.BE12 U75.BE14 U75.BE15 U75.BE16 U75.BE17 U75.BE18 U75.BE19 U75.BE24 U75.BE33 U75.BE34 U75.BE35 U75.BE36 U75.BE37 U75.BE38 U75.BE40 U75.BE43 U75.BE47 U75.BE48 U75.BE49 U75.BF1 U75.BF2 U75.BF5 U75.BF6 U75.BF7 U75.BF10 U75.BF16 U75.BF19 U75.BF20 U75.BF21 U75.BF31 U75.BF32 U75.BF33 U75.BF36 U75.BF42 U75.BF45 U75.BF46 U75.BF47 U75.BF50 U75.BF51 U75.BG3 U75.BG4 U75.BG7 U75.BG8 U75.BG12 U75.BG16 U75.BG17 U75.BG18 U75.BG21 U75.BG28 U75.BG31 U75.BG34 U75.BG35 U75.BG36 U75.BG40 U75.BG44 U75.BG45 U75.BG48 U75.BG49 U75.BH1 U75.BH2 U75.BH5 U75.BH6 U75.BH7 U75.BH11 U75.BH15 U75.BH16 U75.BH19 U75.BH20 U75.BH21 U75.BH25 U75.BH31 U75.BH32 U75.BH33 U75.BH36 U75.BH37 U75.BH41 U75.BH45 U75.BH46 U75.BH47 U75.BH50 U75.BH51 U75.BJ2 U75.BJ3 U75.BJ4 U75.BJ7 U75.BJ9 U75.BJ13 U75.BJ16 U75.BJ17 U75.BJ18 U75.BJ21 U75.BJ22 U75.BJ31 U75.BJ34 U75.BJ35 U75.BJ36 U75.BJ39 U75.BJ43 U75.BJ45 U75.BJ48 U75.BJ49 U75.BJ50 U75.BK3 U75.BK4 U75.BK5 U75.BK6 U75.BK7 U75.BK10 U75.BK14 U75.BK16 U75.BK19 U75.BK20 U75.BK21 U75.BK29 U75.BK31 U75.BK32 U75.BK33 U75.BK36 U75.BK38 U75.BK42 U75.BK45 U75.BK46 U75.BK47 U75.BK48 U75.BK49 U75.BL4 U75.BL7 U75.BL8 U75.BL12 U75.BL16 U75.BL17 U75.BL18 U75.BL21 U75.BL26 U75.BL31 U75.BL34 U75.BL35 U75.BL36 U75.BL40 U75.BL44 U75.BL45 U75.BL48 U75.C2 U75.C3 U75.C4 U75.C7 U75.C8 U75.C12 U75.C16 U75.C17 U75.C18 U75.C21 U75.C31 U75.C34 U75.C35 U75.C36 U75.C40 U75.C44 U75.C45 U75.C48 U75.C49 U75.C50 U75.D1 U75.D2 U75.D5 U75.D6 U75.D7 U75.D11 U75.D15 U75.D16 U75.D19 U75.D20 U75.D21 U75.D27 U75.D31 U75.D32 U75.D33 U75.D36 U75.D37 U75.D41 U75.D45 U75.D46 U75.D47 U75.D50 U75.D51 U75.E3 U75.E4 U75.E7 U75.E9 U75.E12 U75.E16 U75.E17 U75.E18 U75.E21 U75.E24 U75.E31 U75.E34 U75.E35 U75.E36 U75.E39 U75.E43 U75.E45 U75.E48 U75.E49 U75.F1 U75.F2 U75.F5 U75.F6 U75.F7 U75.F10 U75.F14 U75.F16 U75.F19 U75.F20 U75.F21 U75.F31 U75.F32 U75.F33 U75.F36 U75.F38 U75.F42 U75.F45 U75.F46 U75.F47 U75.F50 U75.F51 U75.G3 U75.G4 U75.G5 U75.G8 U75.G12 U75.G16 U75.G18 U75.G21 U75.G28 U75.G31 U75.G34 U75.G36 U75.G40 U75.G44 U75.G47 U75.G48 U75.G49 U75.H1 U75.H2 U75.H5 U75.H6 U75.H11 U75.H14 U75.H15 U75.H16 U75.H17 U75.H18 U75.H19 U75.H20 U75.H21 U75.H25 U75.H31 U75.H32 U75.H33 U75.H34 U75.H35 U75.H36 U75.H37 U75.H38 U75.H41 U75.H46 U75.H47 U75.H50 U75.H51 U75.J3 U75.J4 U75.J5 U75.J9 U75.J12 U75.J14 U75.J22 U75.J38 U75.J40 U75.J43 U75.J47 U75.J48 U75.J49 U75.K1 U75.K2 U75.K5 U75.K7 U75.K10 U75.K14 U75.K19 U75.K29 U75.K38 U75.K42 U75.K45 U75.K47 U75.K50 U75.K51 U75.L3 U75.L4 U75.L5 U75.L8 U75.L12 U75.L14 U75.L16 U75.L26 U75.L36 U75.L38 U75.L40 U75.L44 U75.L47 U75.L48 U75.L49 U75.M1 U75.M2 U75.M5 U75.M6 U75.M11 U75.M23 U75.M33 U75.M38 U75.M41 U75.M46 U75.M47 U75.M50 U75.M51 U75.N3 U75.N4 U75.N5 U75.N9 U75.N13 U75.N14 U75.N20 U75.N30 U75.N38 U75.N39 U75.N43 U75.N47 U75.N48 U75.N49 U75.P1 U75.P2 U75.P5 U75.P7 U75.P10 U75.P17 U75.P27 U75.P37 U75.P38 U75.P42 U75.P45 U75.P47 U75.P50 U75.P51 U75.R3 U75.R4 U75.R5 U75.R8 U75.R12 U75.R14 U75.R24 U75.R34 U75.R38 U75.R40 U75.R44 U75.R47 U75.R48 U75.R49 U75.T1 U75.T2 U75.T5 U75.T6 U75.T11 U75.T21 U75.T38 U75.T41 U75.T46 U75.T47 U75.T50 U75.T51 U75.U3 U75.U4 U75.U5 U75.U9 U75.U13 U75.U14 U75.U18 U75.U28 U75.U30 U75.U38 U75.U39 U75.U43 U75.U47 U75.U48 U75.U49 U75.V1 U75.V2 U75.V5 U75.V7 U75.V10 U75.V23 U75.V25 U75.V27 U75.V29 U75.V31 U75.V38 U75.V42 U75.V45 U75.V47 U75.V50 U75.V51 U75.W3 U75.W4 U75.W5 U75.W8 U75.W12 U75.W14 U75.W18 U75.W20 U75.W22 U75.W24 U75.W26 U75.W28 U75.W30 U75.W34 U75.W36 U75.W38 U75.W40 U75.W44 U75.W47 U75.W48 U75.W49 U75.Y1 U75.Y2 U75.Y5 U75.Y11 U75.Y15 U75.Y17 U75.Y19 U75.Y21 U75.Y23 U75.Y25 U75.Y27 U75.Y29 U75.Y31 U75.Y33 U75.Y35 U75.Y37 U75.Y38 U75.Y41 U75.Y46 U75.Y47 U75.Y50 U75.Y51 U77.A4 U77.A7 U77.A9 U77.A13 U77.A16 U77.A17 U77.A18 U77.A21 U77.A26 U77.A31 U77.A34 U77.A35 U77.A36 U77.A39 U77.A43 U77.A45 U77.A48 U77.AA3 U77.AA4 U77.AA5 U77.AA9 U77.AA12 U77.AA14 U77.AA16 U77.AA18 U77.AA20 U77.AA22 U77.AA24 U77.AA26 U77.AA28 U77.AA30 U77.AA32 U77.AA34 U77.AA36 U77.AA38 U77.AA40 U77.AA43 U77.AA47 U77.AA48 U77.AA49 